# Altium PCB LimeSDR-QPCIe_1v2.PcbDoc (part 16 of 21)
Units mm, origin at the board's own origin, x right, y up, seen from the top; angles counter-clockwise.
Board outline 190 x 111.15 mm, 14 copper layers (Top, L2, L3, L4, L5, L6, L7, L8, L9, L10, L11, L12, L13, Bottom), stack 1.907 mm thick; 2014 components, 1408 nets, 9111 pads, 4171 vias.
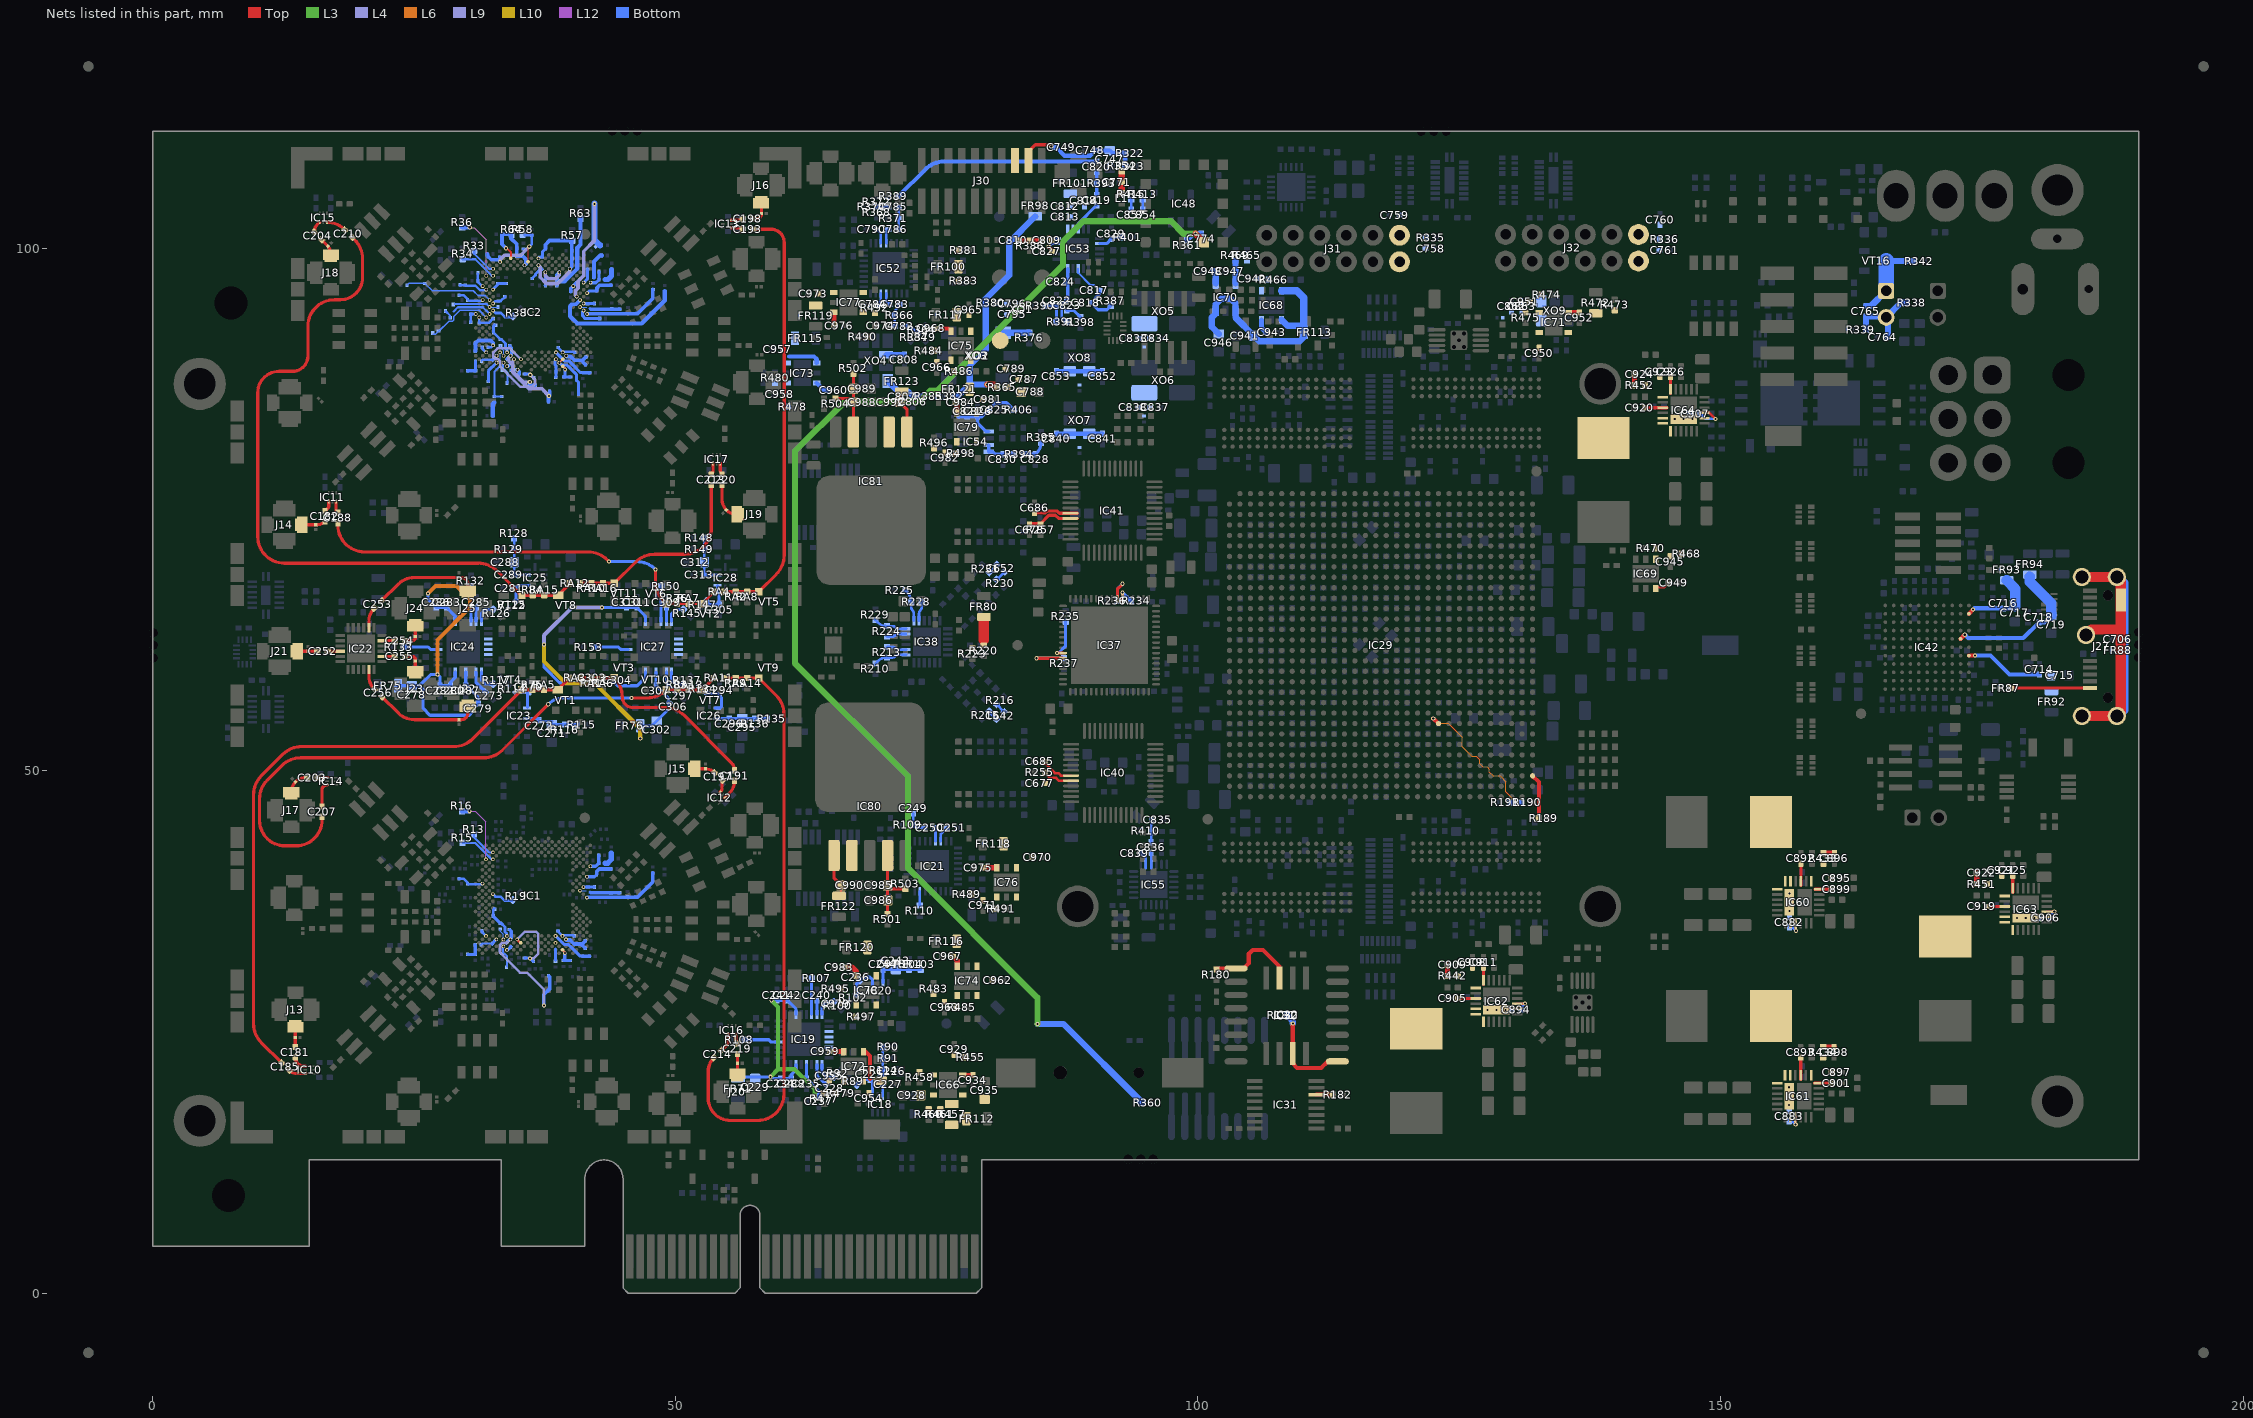
[diagram p28: the nets of this part, all layers, seen from the top]

## Via types
v1: diameter 0.4, hole 0.2, Top to Bottom, tented both sides, 3282 vias
v2: diameter 0.4, hole 0.2, Top to Bottom, tented top, 531 vias
v3: diameter 0.35, hole 0.2, Top to Bottom, tented top, 210 vias
v4: diameter 0.5, hole 0.2, Top to Bottom, tented both sides, 99 vias
v5: diameter 0.5, hole 0.2, Top to Bottom, tented bottom, 49 vias

## Nets (pads, with @x,y where several pads share a name; then routed paths per layer and width w, separated by ;. In a path a pad name is that pad's centre, name@x,y a point inside that pad or via, vN(x,y) a via of type N, cw(c..) or ccw(c..) an arc to the next point about the centre after c; other vN are vias at no path point) (continued)
NetC98_1: C98.1 FR22.1 IC1.AP26 | length 1.7
  Bottom w0.3: v3(41.874,40.845) 42.38,40.845 42.675,41.14 C98.1@42.675,41.915
NetC99_1: C99.1 FR22.2 R52.2 | length 1.4
  Bottom w0.5: FR22.2@43.28,41.14 43.53,41.14 43.88,41.49 C99.1@43.88,42.115
NetC100_1: C100.1 FR23.1 IC1.AN23 | length 2.7
  Bottom w0.3: v3(41.541,39.846) 42.256,39.846 C100.1@42.475,40.065
  Bottom w0.35: C100.1@42.475,40.09 42.475,40.339 42.726,40.59 FR23.1@43.83,40.59
NetC101_1: C101.1 FR21.1 IC1.AM20 | length 1
  Bottom w0.3: v3@41.221,38.86 FR21.1@42.255,38.86
  other v3: 41.208,38.847
NetC102_1: C102.1 IC1.AL19 R51.2 | length 3.5
  Bottom w0.11: v3(40.875,38.514) 41.48,38.515
  Bottom w0.3: 41.825,38.37 41.885,38.31 C102.1@44.655,38.31
NetC103_1: C103.1 FR20.2 IC1.AG5 | length 2.7
  Bottom w0.35: v3@39.53,33.84 39.58,33.79 39.956,33.79 40.006,33.74 40.006,33.732 40.323,33.415 40.331,33.415 40.975,33.415 ; FR20.2@41.39,33 40.975,33.415 ; C103.1@41.39,33.705 41.101,33.415 40.975,33.415
  other v3: 39.543,33.852
NetC104_1: C104.1 FR19.2 IC1.AD6 | length 3.8
  Bottom w0.3: v3(38.544,34.185) 39.364,33.365 39.772,33.365 40.147,32.99 40.154,32.99 40.9,32.245
  Bottom w0.35: C104.1@41.105,32.245 FR19.2@41.787,32.245
NetC105_1: C105.1 FR18.2 IC1.P4 | length 6.7
  Top w0.2: IC1.P4@35.206,33.519 IC1.P4@35.214,33.519
  Top w0.25: v3(34.875,33.85) IC1.P4@35.206,33.519
  L4 w0.25: v3(34.875,33.85) 35.625,34.6 36.675,34.6 36.875,34.4 36.875,32.475 36.43,32.03 v1(36.095,32.03)
  Bottom w0.3: C105.1@35.575,32.08 36.07,32.08 FR18.2@36.42,31.73
NetC106_2: C106.2 IC1.J3 R50.1 | length 2.2
  Bottom w0.19: v3@33.512,33.149 33.512,32.488 R50.1@33.53,32.47
  Bottom w0.2: R50.1@33.53,32.47 33.683,32.47 33.905,32.247 33.905,31.26 C106.2@33.887,31.241
  other v3: 33.549,33.186
NetC107_2: C107.2 FR17.2 IC1.K6 R49.2 | length 3.3
  Bottom w0.27: C107.2@32.7,36.815 32.578,36.693 FR17.2@32.578,36.065 33.248,35.395 R49.2@33.255,35.395 33.353,35.395 33.72,35.027 33.72,34.557 33.882,34.396 v3(33.882,34.185)
NetC108_1: C108.1 FR16.2 IC1.G5 | length 1.7
  Bottom w0.2: FR16.2@31.423,33.342 31.553,33.472 32.469,33.472 C108.1@32.469,33.438
  Bottom w0.3: C108.1@32.469,33.438 v3(32.883,33.852)
NetC109_1: C109.1 FR16.1 R48.1 | length 1.6
  Bottom w0.3: C109.1@30.105,32.42 R48.1@30.796,32.42 ; FR16.1@30.863,33.342 30.863,32.419 R48.1@30.866,32.416
NetC110_1: C110.1 FR30.1 FR31.1 IC1.AN17 | length 7.9
  Bottom w0.34: v3(41.541,37.848) 41.583,37.89 FR30.1@46.305,37.89 ; FR30.1@46.218,37.898 46.388,37.898 47.837,39.346 FR31.1@47.837,40.211
NetC111_1: C111.1 FR35.1 IC1.C21 | length 2.5
  Bottom w0.24: FR35.1@30.11,39.215 30.207,39.118 31.489,39.118 v3(31.551,39.18)
  Bottom w0.25: C111.1@29.293,39.66 29.724,39.66 30.11,39.273 FR35.1@30.11,39.215
NetC112_1: C112.1 FR33.1 IC1.AF2 | length 1.8
  Top w0.2: IC1.AF2@39.21,32.853 39.43,32.633 v3(39.43,32.54)
  Bottom w0.3: v3(39.43,32.54) 39.43,32.011 39.305,31.886 FR33.1@39.305,31.82 C112.1@39.955,31.82
NetC113_1: C113.1 FR32.1 IC1.AD4 | length 1.1
  Bottom w0.3: FR32.1@38.535,31.84 38.544,31.849 38.544,32.918
  other v3: 38.544,33.519
NetC114_1: C114.1 FR28.2 FR29.2 IC1.L5 R55.2 | length 13.8
  L4 w0.25: v3(34.215,33.852) 33.874,33.511 33.414,33.511 33.224,33.321 33.224,32.576 35.125,30.675 35.8,30.675 37.425,29.05 v1(37.425,27.525)
  Bottom w0.3: R55.2@33.882,33.567 34.167,33.852 v3(34.215,33.852) 34.307,33.944 34.307,34.633 C114.1@34.13,34.81
  Bottom w0.35: v1(37.425,27.525) 37.425,28.55 37.975,29.1 37.975,30.285 FR28.2@37.885,30.375
NetC115_1: C115.1 FR34.1 IC1.AF6 | length 1.9
  Bottom w0.25: C115.1@38.78,34.66 38.78,34.615 v3(39.21,34.185) 39.277,34.252 40.218,34.252 FR34.1@40.33,34.14 ; FR34.1@40.295,34.185 FR34.1@40.3,34.19
NetC116_1: C116.1 IC2.D24 R56.1 | length 2.7
  Bottom w0.22: R56.1@29.392,96.447 C116.1@29.907,96.447 ; C116.1@29.907,96.397 30.887,96.397 31.32,95.964 31.859,95.964 v3(31.911,96.016)
NetC117_1: C117.1 C118.1 C119.1 C120.1 C121.1 C122.1 IC2.AH30 IC2.W31 IC2.W33 R57.2 | length 14
  L4 w0.35: v3(36.906,98.347) 37.075,98.178 37.075,97.214 37.689,96.6 38.75,96.6 39.903,97.753 v3(39.903,98.014)
  Bottom w0.25: C117.1@36.307,97.077 36.627,97.397 36.627,97.503 37.103,97.979 C118.1@37.209,97.979
  Bottom w0.3: v3(36.906,98.347) 36.906,98.282 C118.1@37.209,97.979 ; v3(36.906,99.013) 37.045,99.152 C122.1@37.302,99.152 37.302,99.652 C121.1@37.582,99.932
  Bottom w0.35: v3(39.903,98.014) 40.1,98.211 R57.2@40.1,100.67
  Bottom w0.37: C121.1@37.582,99.932 37.582,100.307 37.977,100.702 R57.2@40.132,100.702
NetC123_1: C123.1 C124.1 C125.1 C126.1 IC2.H32 IC2.T32 R58.2 | length 10.2
  Top w0.11: IC2.T32@35.91,98.683 35.91,100.005 v1(36.032,100.127)
  L4 w0.35: v3(33.243,98.68) 33.243,98.893 33.65,99.3 35.205,99.3 v1(36.032,100.127)
  Bottom w0.11: R58.2@35.582,101.277 C123.1@36.187,101.277
  Bottom w0.25: C124.1@35.482,99.897 35.802,99.897 36.282,100.377 36.282,101.182 C123.1@36.217,101.247 ; R58.2@35.582,101.277 35.612,101.247 C123.1@36.217,101.247 ; C123.1@36.307,101.247 C123.1@36.217,101.247
  Bottom w0.35: C126.1@32.007,99.432 32.032,99.407 32.032,99.243 32.403,98.872 33.051,98.872 33.202,98.721 C125.1@33.202,99.128
NetC127_1: C127.1 FR43.1 IC2.E21 | length 8.7
  Bottom w0.15: FR43.1@24.314,96.437 24.489,96.612 26.064,96.612 26.774,95.902 30.682,95.902 31.128,95.456 31.805,95.456 v3(32.244,95.017)
NetC128_1: C128.1 FR42.1 IC2.D16 | length 7
  Bottom w0.15: C128.1@26.789,91.766 27.091,91.766 27.352,92.028 27.364,92.028 28.315,92.978 28.686,92.978 28.788,93.081 28.788,93.428 29.395,94.035 31.231,94.035
  Bottom w0.17: 30.756,94.039 30.762,94.045 31.221,94.045 31.231,94.035 v3(31.913,93.353)
NetC129_1: C129.1 FR41.1 IC2.E17 | length 4.7
  Bottom w0.2: C129.1@28.018,93.978 28.463,93.533 FR41.1@28.463,93.328 ; 28.788,93.928 29.195,94.335 31.594,94.335 v3(32.244,93.685)
NetC130_1: C130.1 FR40.1 IC2.AK22 | length 13.9
  L9 w0.35: v3(40.569,95.35) 40.452,95.467 40.452,95.929 40.686,96.163 40.686,96.811 41.238,97.363 41.238,99.688 42.263,100.713 v1(42.263,104.228)
  Bottom w0.6: v1(42.263,104.228) 42.263,100.778 42.788,100.253
NetC131_1: C131.1 FR39.1 IC2.AM18 | length 2.3
  Bottom w0.31: v3(41.235,94.018) 41.132,93.915 41.132,93.502 41.382,93.252 FR39.1@42.777,93.252
NetC132_1: C132.1 FR38.2 IC2.AE3 IC2.AF4 | length 4.5
  Top w0.2: v3(38.904,89.023) IC2.AF4@39.237,89.356
  Bottom w0.3: v3(38.904,89.023) 39.125,88.802 39.633,88.802 39.983,88.453 ; 40.015,88.427 40.532,87.911 40.532,87.352 40.752,87.132 C132.1@40.752,86.852 FR38.2@40.752,85.974
NetC133_1: C133.1 FR37.2 IC2.N1 | length 1.6
  Bottom w0.3: C133.1@34.332,88.307 34.382,88.357 v3(34.908,88.357) ; v3(34.908,88.357) 35.07,88.195 ; v3(34.908,88.357) 35.07,88.195 ; 35.07,88.195 FR37.2@35.07,87.934 35.07,88.195
NetC134_1: C134.1 FR36.1 IC2.G3 | length 2.1
  Bottom w0.3: FR36.1@32.112,87.227 32.112,88.241 32.894,89.023 v3(32.91,89.023)
NetC135_1: C135.1 FR45.2 IC2.H6 | length 5.2
  Bottom w0.11: 33.243,88.732 v3(33.243,90.022)
  Bottom w0.2: 33.243,88.732 32.688,88.178 32.688,85.778 FR45.2@32.692,85.782 C135.1@33.407,85.782
NetC136_1: C136.1 FR45.1 R59.1 | length 1.4
  Bottom w0.4: C136.1@32.542,83.934 32.535,83.942 R59.1@32.535,84.749 32.535,85.065 FR45.1@32.688,85.218
NetC137_1: C137.1 FR44.1 IC2.AM26 | length 1.4
  Bottom w0.3: v3(41.235,96.682) 41.602,97.049 FR44.1@41.602,97.202 C137.1@41.602,97.977
NetC138_1: C138.1 FR44.2 R60.2 | length 2.5
  Bottom w0.4: FR44.2@42.212,97.177 42.212,98.707 42.782,99.277 R60.2@42.977,99.277
NetC141_1: C141.1 C142.1 C143.1 C144.1 IC2.AA29 IC2.AE29 R63.1 | length 12.2
  L4 w0.35: v3(37.572,97.681) 37.572,97.353 37.875,97.05 38.55,97.05 38.904,97.404 v3(38.904,97.681)
  Bottom w0.3: C143.1@37.562,96.402 C143.1@37.572,96.412 v3(37.572,97.681) ; C142.1@38.662,96.402 C141.1@38.662,97.175 38.662,97.44 v3(38.904,97.681)
  Bottom w0.4: 38.732,96.827 39.432,96.827 40.627,98.022 40.627,100.022 40.938,100.333 R63.1@40.938,102.803
NetC145_1: C145.1 C146.1 C147.1 C148.1 IC2.L33 IC2.R31 R64.1 | length 7.6
  Top w0.2: v1(33.813,99.978) 33.888,99.978 34.284,99.583 34.284,99.013 IC2.L33@34.242,99.013
  Bottom w0.35: v1(33.813,99.978) 33.425,100.366 C147.1@33.425,100.55 C148.1@33.425,101.325 R64.1@34.291,101.325 ; v3(35.574,98.347) 35.707,98.481
  Bottom w0.37: R64.1@34.291,101.325 34.291,100.909 34.83,100.37 C145.1@34.83,99.227 ; C145.1@34.855,99.227 35.407,99.227 35.722,98.912 35.722,98.496 35.707,98.481
NetC149_1: C149.1 FR50.1 IC2.A17 | length 1.3
  Bottom w0.25: FR50.1@30.437,92.902 C149.1@30.437,93.677 30.445,93.685 v3(30.912,93.685)
NetC150_1: C150.1 FR49.2 IC2.F24 | length 1.6
  Bottom w0.3: v3(32.577,96.016) 32.577,96.081 33.032,96.537 C150.1@33.032,96.622 FR49.2@33.807,96.622
NetC151_1: C151.1 FR48.2 IC2.C25 | length 1.4
  Bottom w0.25: FR48.2@31.112,97.527 31.112,96.727 31.49,96.349 v3(31.578,96.349)
NetC152_1: C152.1 FR47.2 IC2.M4 | length 4.1
  L4 w0.3: v3(34.575,89.356) 34.483,89.264 34.483,88.181 35.471,87.192 v1(36.082,87.192)
  Bottom w0.3: v1@36.082,87.167 36.082,86.882 36.092,86.872 FR47.2@36.632,86.872
NetC153_1: C153.1 FR46.2 IC2.AL21 | length 13.4
  Bottom w0.35: 40.057,94.627 40.512,94.627 v3(40.902,95.017)
  Bottom w0.4: 40.107,94.597 39.932,94.422 39.932,93.476 40.631,92.777 46.787,92.777 48.988,94.978 FR46.2@48.988,95.853 FR46.2@48.988,95.878
NetC154_1: C154.1 FR53.2 IC2.P4 | length 11.3
  L4 w0.25: v3(35.241,89.356) 34.197,90.4 32.969,90.4 32.585,90.015 32.585,89.554 32.775,89.364 33.028,89.364 33.251,89.142 33.251,88.649 35.175,86.725 36.275,86.725 36.575,87.025 36.575,87.414 v1(36.122,87.867)
  Bottom w0.3: C154.1@35.575,87.93 36.084,87.93 FR53.2@36.447,87.567
NetC155_1: C155.1 FR60.1 IC2.B16 | length 2
  Bottom w0.25: v3(31.245,93.352) 31.257,93.34 FR60.1@31.257,92.832 31.552,92.832 32.18,92.832 C155.1@32.582,93.234
NetC156_1: C156.1 FR62.1 IC2.F8 R71.1 | length 3.5
  Bottom w0.25: R71.1@32.087,90.502 32.391,90.502 v3(32.577,90.688)
  Bottom w0.35: FR62.1@30.887,90.127 30.887,90.902 31.137,91.152 32.332,91.152 32.577,90.908 v3(32.577,90.688)
NetC157_1: C157.1 FR61.1 IC2.E19 | length 4.4
  Bottom w0.11: v3(32.244,94.351) C157.1@33.057,94.351
  Bottom w0.15: v3@32.19,94.297 v3(32.244,94.351)
  Bottom w0.2: FR61.1@28.87,94.635 31.96,94.635 v3(32.244,94.351)
NetC158_1: C158.1 IC2.F20 R70.2 | length 1.4
  Bottom w0.25: v3(32.577,94.684) 32.815,94.922 33.277,94.922 R70.2@33.732,95.377
NetC159_1: C159.1 FR58.1 IC2.AP26 | length 1.7
  Bottom w0.3: v3(41.901,96.682) 42.407,96.682 FR58.1@42.702,96.977 C159.1@42.702,97.752
NetC160_1: C160.1 FR58.2 R69.2 | length 1.4
  Bottom w0.5: FR58.2@43.307,96.977 43.557,96.977 43.907,97.327 C160.1@43.907,97.952
NetC161_1: C161.1 FR57.1 IC2.AN23 | length 2.7
  Bottom w0.3: v3(41.568,95.683) 41.787,95.902 C161.1@42.502,95.902
  Bottom w0.35: C161.1@42.502,95.927 42.502,96.176 42.753,96.427 FR57.1@43.857,96.427
NetC162_1: C162.1 FR56.1 IC2.AM20 | length 1
  Bottom w0.3: v3@41.248,94.697 FR56.1@42.282,94.697
  other v3: 41.235,94.684
NetC163_1: C163.1 IC2.AL19 R68.2 | length 3.5
  Bottom w0.11: v3(40.902,94.351) 41.507,94.352
  Bottom w0.3: 41.852,94.207 41.912,94.147 C163.1@44.682,94.147
NetC164_1: C164.1 FR55.2 IC2.AG5 | length 2.7
  Bottom w0.35: v3@39.557,89.677 39.607,89.627 39.982,89.627 40.032,89.577 40.032,89.57 40.35,89.252 40.357,89.252 41.002,89.252 ; FR55.2@41.417,88.837 41.002,89.252 ; C164.1@41.417,89.542 41.127,89.252 41.002,89.252
  other v3: 39.57,89.689
NetC165_1: C165.1 FR54.2 IC2.AD6 | length 3.8
  Bottom w0.3: v3(38.571,90.022) 39.391,89.202 39.799,89.202 40.174,88.827 40.181,88.827 40.926,88.082
  Bottom w0.35: C165.1@41.132,88.082 FR54.2@41.813,88.082
NetC166_1: C166.1 IC2.J3 R67.1 | length 2.2
  Bottom w0.19: R67.1@33.557,88.307 33.539,88.325 33.539,88.986 v3(33.576,89.023)
  Bottom w0.2: R67.1@33.557,88.307 33.709,88.307 33.932,88.084 33.932,87.097 C166.1@33.913,87.078
NetC167_2: C167.2 FR52.2 IC2.K6 R66.2 | length 3.3
  Bottom w0.27: C167.2@32.727,92.652 32.605,92.53 FR52.2@32.605,91.902 33.275,91.232 R66.2@33.282,91.232 33.379,91.232 33.747,90.864 33.747,90.394 33.909,90.233 v3(33.909,90.022)
NetC168_1: C168.1 FR51.2 IC2.G5 | length 1.7
  Bottom w0.2: FR51.2@31.45,89.179 31.579,89.309 32.496,89.309 C168.1@32.496,89.275
  Bottom w0.3: C168.1@32.496,89.275 v3(32.91,89.689)
NetC169_1: C169.1 FR51.1 R65.1 | length 1.6
  Bottom w0.3: C169.1@30.132,88.257 R65.1@30.822,88.257 ; FR51.1@30.89,89.179 R65.1@30.89,88.256 R65.1@30.892,88.253
NetC170_1: C170.1 FR59.1 IC2.AJ25 | length 1
  Bottom w0.35: C170.1@40.007,95.845 40.007,96.12 v3(40.236,96.349) 40.236,96.356 FR59.1@40.509,96.629
NetC171_1: C171.1 FR65.1 FR66.1 IC2.AN17 | length 7.9
  Bottom w0.34: v3(41.568,93.685) 41.61,93.727 FR65.1@46.332,93.727 ; FR65.1@46.245,93.735 46.415,93.735 47.863,95.183 FR66.1@47.863,96.048
NetC172_1: C172.1 FR70.1 IC2.C21 | length 2.5
  Bottom w0.24: FR70.1@30.137,95.052 30.234,94.955 31.516,94.955 v3(31.578,95.017)
  Bottom w0.25: C172.1@29.319,95.497 29.751,95.497 30.137,95.11 FR70.1@30.137,95.052
NetC173_1: C173.1 FR68.1 IC2.AF2 | length 1.8
  Top w0.2: IC2.AF2@39.237,88.69 39.457,88.47 v3(39.457,88.377)
  Bottom w0.3: v3(39.457,88.377) 39.457,87.848 39.332,87.723 FR68.1@39.332,87.657 C173.1@39.982,87.657
NetC174_1: C174.1 FR67.1 IC2.AD4 | length 1.8
  Bottom w0.3: FR67.1@38.562,87.677 38.571,87.686 38.571,88.755 38.479,88.847 38.479,89.199 38.571,89.291 v3(38.571,89.356)
NetC175_1: C175.1 FR63.2 FR64.2 IC2.L5 R72.2 | length 8.8
  L9 w0.35: v3(34.242,89.689) 34.075,89.522 34.075,89.2 34.45,88.825 34.45,88.1 36,86.55 37.229,86.55 v1(37.927,85.852)
  Bottom w0.3: R72.2@33.909,89.404 34.194,89.689 v3(34.242,89.689) 34.334,89.781 34.334,90.47 C175.1@34.157,90.647
  Bottom w0.35: FR64.2@37.865,85.306 37.865,85.74 37.977,85.852 FR63.2@37.977,86.3
NetC176_1: C176.1 FR69.1 IC2.AF6 | length 1.9
  Bottom w0.25: C176.1@38.807,90.497 38.807,90.452 v3(39.237,90.022) 39.304,90.089 40.245,90.089 FR69.1@40.357,89.977 ; FR69.1@40.322,90.022 FR69.1@40.327,90.027
NetC181_1: C181.1 ESD13.1 J13.1 | length 1.9
  Top w0.309: C181.1@13.648,23.563 J13.1@13.648,25.423
NetC181_2: C181.2 IC10.1 | length 1.5
  Top w0.309: C181.2@13.648,22.563 ccw(c14.498,22.563) 14.498,21.713 IC10.1@14.673,21.713
NetC182_1: C182.1 ESD14.1 J14.1 | length 2.4
  Top w0.309: J14.1@14.2,73.525 J14.1@14.3,73.525 ESD14.1@15.6,73.525 15.751,73.525 ccw(c15.751,74.549) C182.1@16.475,73.825
NetC182_2: C182.2 IC11.1 | length 1.1
  Top w0.309: C182.2@16.475,74.825 16.751,75.101 ccw(c16.512,75.34) 16.85,75.34 IC11.1@16.85,75.75 IC11.1@16.85,75.8
NetC185_1: C185.1 IC10.3 | length 1.7
  Top w0.309: C185.1@13.054,21.321 ccw(c13.798,22.066) 13.798,21.013 IC10.3@14.598,21.013 IC10.3@14.673,21.013
NetC185_2: C185.2 R75.1 RA3.1 RA5.2 VT1.1 VT4.2 | length 61.8
  Top w0.309: C185.2@12.346,22.029 10.394,23.981 cw(c12.19,25.777) 9.65,25.777 9.65,47.698 cw(c12.19,47.698) 10.394,49.494 12.456,51.556 cw(c14.252,49.76) 14.252,52.3 28.823,52.3 ccw(c28.823,54.84) 30.619,53.044 VT4.2@35.313,57.737 R75.1@36.338,57.737 VT1.1@38.77,57.737 39.822,58.79 ccw(c39.737,58.875) RA3.1@39.857,58.875
NetC188_1: C188.1 IC11.3 | length 1.2
  Top w0.309: IC11.3@17.55,75.8 IC11.3@17.55,75.75 17.55,74.85 ccw(c17.725,74.85) C188.1@17.725,74.675
NetC188_2: C188.2 R76.1 RA4.1 RA7.2 VT2.1 VT6.2 | length 41.1
  Top w0.254: v1(48.1,69.25) 48.1,68.07 ccw(c50.64,68.07) 48.844,66.274 VT6.2@49.143,65.975 R76.1@50.168,65.975 VT2.1@52.6,65.975 RA4.1@53.652,67.027
  Top w0.309: C188.2@17.725,73.675 17.725,73.465 ccw(c20.265,73.465) 20.265,70.925 41.673,70.925 cw(c41.673,68.385) 43.469,70.181 v1(43.65,70)
  Bottom w0.309: v1(43.65,70) 46.298,70 cw(c46.298,67.46) 48.094,69.256 v1(48.1,69.25)
NetC191_1: C191.1 RA1.1 RA3.2 RA6.2 VT3.2 | length 19.3
  Top w0.309: RA3.2@40.857,58.875 VT3.2@44.157,58.875 44.181,58.851 cw(c42.385,57.055) 44.925,57.055 ccw(c45.955,57.055) 45.955,56.025 49.048,56.025 cw(c49.048,53.485) 50.844,55.281 55.357,50.768 cw(c54.589,50) C191.1@55.675,50
NetC191_2: C191.2 IC12.1 | length 2
  Top w0.309: IC12.1@54.735,47.39 55.184,47.839 ccw(c53.997,49.025) C191.2@55.675,49.025
NetC193_1: C193.1 RA2.1 RA4.2 RA8.2 VT5.2 | length 41.3
  Top w0.309: RA4.2@54.687,67.113 VT5.2@57.988,67.113 59.681,68.806 ccw(c57.885,70.602) 60.425,70.602 60.425,100.53 ccw(c59.155,100.53) 59.155,101.8 C193.1@57.45,101.8
NetC193_2: C193.2 IC13.1 | length 1.1
  Top w0.309: IC13.1@55.35,101.95 56.088,101.95 cw(c56.088,101.438) C193.2@56.45,101.8
NetC197_1: C197.1 ESD15.1 J15.1 | length 2.1
  Top w0.309: J15.1@51.825,50.175 J15.1@51.925,50.175 ESD15.1@52.875,50.175 cw(c52.875,48.968) 53.729,49.821 C197.1@53.771,49.779
NetC197_2: C197.2 IC12.3 | length 1.2
  Top w0.309: IC12.3@54.268,47.913 IC12.3@54.303,47.948 ccw(c53.879,48.372) 54.479,48.372 C197.2@54.479,49.071
NetC198_1: C198.1 ESD16.1 J16.1 | length 2.1
  Top w0.309: C198.1@57.45,102.8 57.75,102.8 ccw(c57.75,103.3) ESD16.1@58.25,103.3 J16.1@58.25,104.344
NetC198_2: C198.2 IC13.3 | length 1.1
  Top w0.309: IC13.3@55.35,102.65 56.028,102.65 ccw(c56.028,103.247) C198.2@56.45,102.825
NetC203_1: C203.1 ESD17.1 J17.1 | length 2.3
  Top w0.309: J17.1@13.25,47.925 cw(c14.65,47.925) 14.65,49.325 C203.1@14.775,49.325
NetC203_2: C203.2 IC14.1 | length 1.1
  Top w0.309: C203.2@15.775,49.325 15.779,49.329 16.753,49.329 IC14.1@16.682,49.329
NetC204_1: C204.1 ESD18.1 J18.1 | length 1.9
  Top w0.309: C204.1@16.154,100.796 16.661,100.289 cw(c15.722,99.35) J18.1@17.05,99.35 J18.1@17.05,99.25
NetC204_2: C204.2 IC15.1 | length 1.1
  Top w0.309: C204.2@15.446,101.504 cw(c16.516,101.504) 15.76,102.26 IC15.1@15.975,102.475
NetC207_1: C207.1 IC14.3 | length 2.4
  Top w0.309: C207.1@16.2,46.575 16.2,48.155 cw(c16.678,48.155) 16.612,48.629 IC14.3@16.732,48.629
NetC207_2: C207.2 R83.1 RA11.1 RA13.2 VT7.1 VT10.2 | length 59.4
  Top w0.309: C207.2@16.2,45.575 16.2,45.275 cw(c13.725,45.275) 13.725,42.8 12.65,42.8 cw(c12.65,45.225) 10.225,45.225 10.225,47.298 cw(c12.765,47.298) 10.969,49.094 12.356,50.481 cw(c14.152,48.685) 14.152,51.225 31.673,51.225 ccw(c31.673,53.765) 33.469,51.969 v1(37.85,56.35) ; v1(45.825,56.95) 47.31,56.95 ccw(c47.31,59.49) 49.106,57.694 VT10.2@49.137,57.725 R83.1@50.187,57.725 VT7.1@52.595,57.725 RA11.1@53.647,58.777
  Bottom w0.309: v1(37.85,56.35) cw(c39.299,54.901) 39.299,56.95 v1(45.825,56.95)
NetC210_1: C210.1 IC15.3 | length 1.8
  Top w0.309: IC15.3@16.675,102.475 cw(c16.675,100.181) C210.1@18.297,101.803
NetC210_2: C210.2 R84.1 RA12.1 RA15.2 VT8.1 VT12.2 | length 68.3
  Top w0.309: C210.2@19.079,101.021 19.331,100.769 cw(c17.535,98.973) 20.075,98.973 20.075,97.175 cw(c17.95,97.175) 17.95,95.05 17.39,95.05 ccw(c17.39,92.51) 14.85,92.51 14.85,89.675 cw(c13.375,89.675) 13.375,88.2 12.09,88.2 ccw(c12.09,86.16) 10.05,86.16 10.05,72.39 ccw(c12.59,72.39) 12.59,69.85 31.148,69.85 cw(c31.148,67.31) 32.944,69.106 35.215,66.835 ccw(c35.33,66.951) VT12.2@35.33,66.788 R84.1@36.355,66.788 VT8.1@38.788,66.788 RA12.1@39.84,67.84
NetC213_1: C213.1 RA10.1 RA12.2 RA16.2 VT11.2 | length 19.1
  Top w0.309: RA12.2@40.875,67.925 VT11.2@44.175,67.925 46.206,69.956 cw(c48.002,68.16) 48.002,70.7 50.91,70.7 ccw(c50.91,73.24) 53.45,73.24 C213.1@53.45,77.325
NetC213_2: C213.2 IC17.1 | length 1.1
  Top w0.309: C213.2@53.45,78.325 ccw(c53.088,78.687) 53.6,78.687 IC17.1@53.6,79.425
NetC214_1: C214.1 RA9.1 RA11.2 RA14.2 VT9.2 | length 57.9
  Top w0.254: RA11.2@54.682,58.863 VT9.2@57.982,58.863
  Top w0.309: C214.1@53.693,22.518 ccw(c55.004,21.207) 53.15,21.207 53.15,18.65 ccw(c55.275,18.65) 55.275,16.525 57.86,16.525 ccw(c57.86,19.065) 60.4,19.065 60.4,55.393 ccw(c57.86,55.393) 59.656,57.189 VT9.2@57.982,58.863
NetC214_2: C214.2 IC16.1 | length 1.8
  Top w0.309: C214.2@54.4,23.225 ccw(c54.4,23.261) 54.425,23.235 55.019,23.829 ccw(c54.563,24.062) 55.075,24.062 IC16.1@55.075,24.75 IC16.1@55.075,24.8
NetC219_1: C219.1 ESD20.1 J20.1 | length 1.9
  Top w0.309: J20.1@55.95,20.975 C219.1@55.95,22.875
NetC219_2: C219.2 IC16.3 | length 0.8
  Top w0.309: IC16.3@55.775,24.8 55.775,24.422 ccw(c56.372,24.422) C219.2@55.95,24
NetC220_1: C220.1 ESD19.1 J19.1 | length 3.6
  Top w0.309: C220.1@54.475,77.325 54.475,75.925 ccw(c55.875,75.925) J19.1@55.875,74.525
NetC220_2: C220.2 IC17.3 | length 1.1
  Top w0.309: IC17.3@54.3,79.425 54.3,78.747 ccw(c54.897,78.747) C220.2@54.475,78.325
NetC225_2: C225.2 IC18.1 R89.1 | length 3.4
  Bottom w0.309: R89.1@67.363,19.919 67.92,20.475 68.6,20.475 68.865,20.21 IC18.1@68.865,18.853 IC18.1@68.865,18.653
NetC226_2: C226.2 C227.1 IC18.3 R90.1 R91.2 | length 4.7
  Bottom w0.25: IC18.3@69.865,18.853 C227.1@69.865,19.996 69.865,21.246 R91.2@69.865,22.471 R90.1@69.865,23.571
NetC228_1: C228.1 IC19.18 | length 2.3
  Bottom w0.3: IC19.18@63.55,21.875 63.55,20.833 C228.1@64.429,19.954
NetC229_2: C229.2 C234.2 C235.2 C237.2 C238.2 C241.2 C242.2 FR71.2 IC19.3 IC19.20 IC19.22 | length 26.7